# Altium PCB CM_PCB.PcbDoc (part 1 of 7)
Units mil, origin at the board's own origin, x right, y up, seen from the top; angles counter-clockwise.
Board outline 6478 x 5255 mil, 14 copper layers (Top Layer, GND1, HS1, GND2, DIFF_SE1, GND3, POWER1, POWER2, GND4, DIFF_SE2, GND5, HS2, GND6, Bottom Layer), stack 76.1 mil thick; 327 components, 386 nets, 2198 pads, 830 vias.
Unrouted connection lines stored in the file: 392.
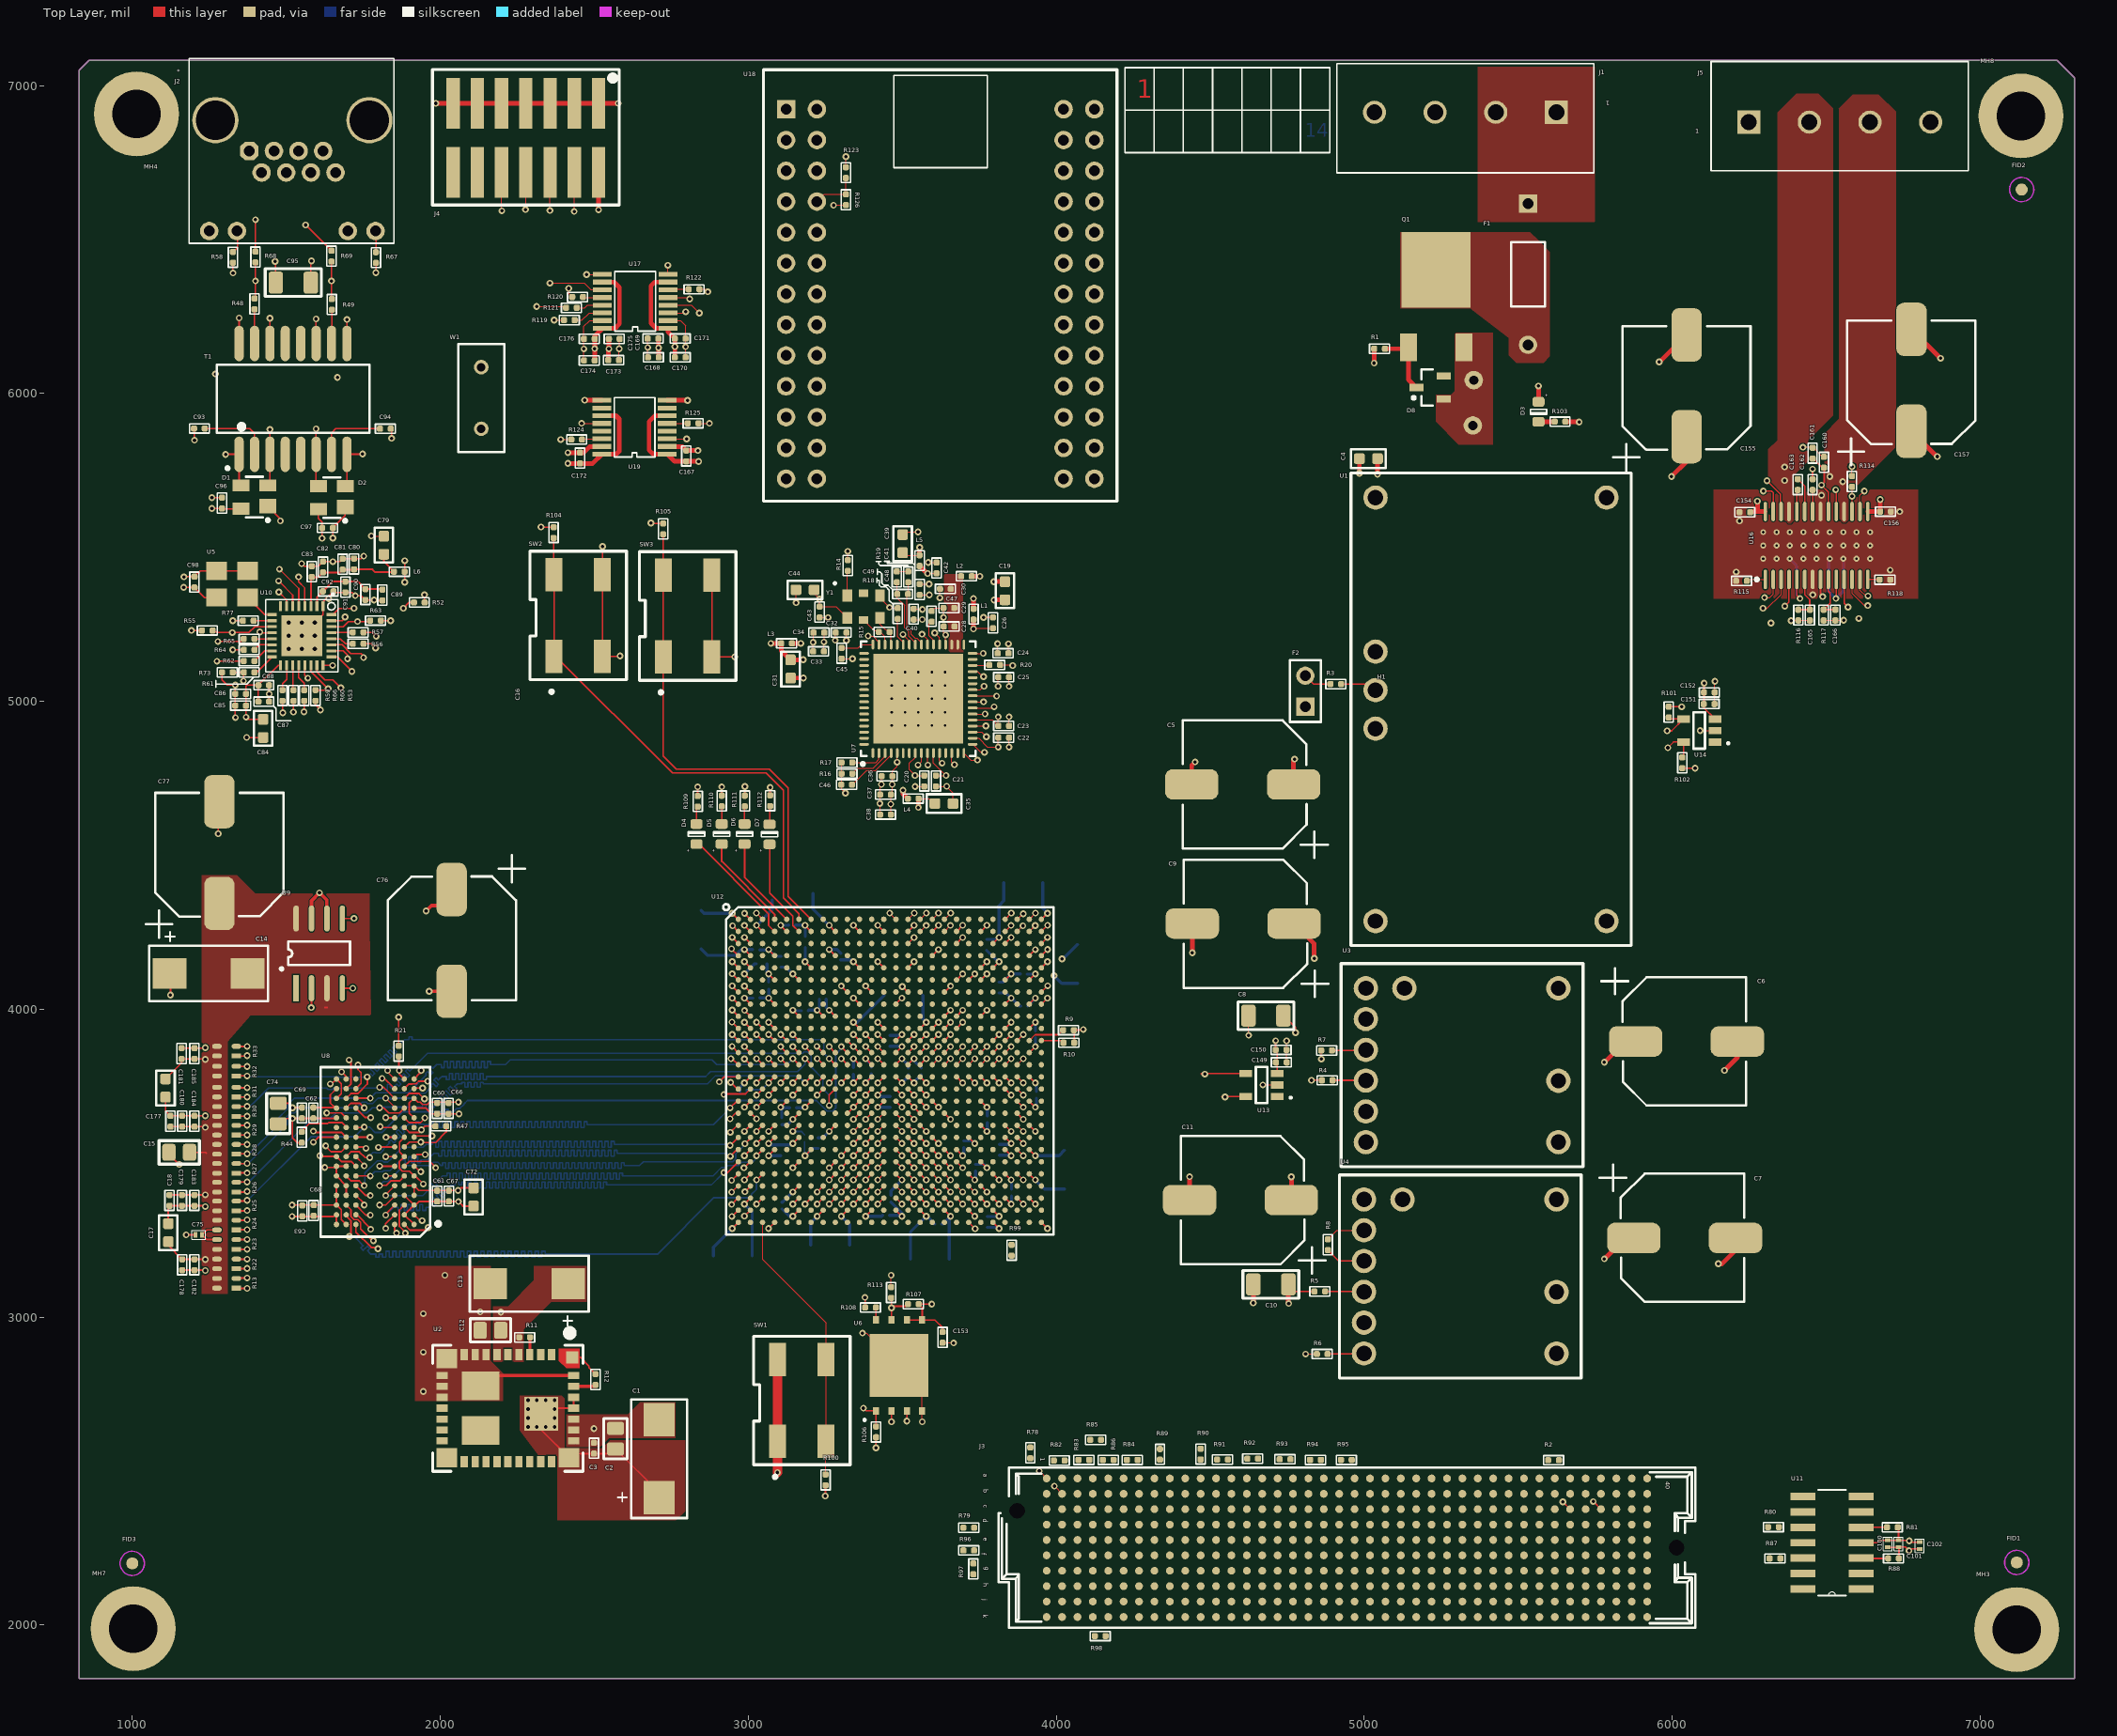
[diagram p0: Top Layer view]
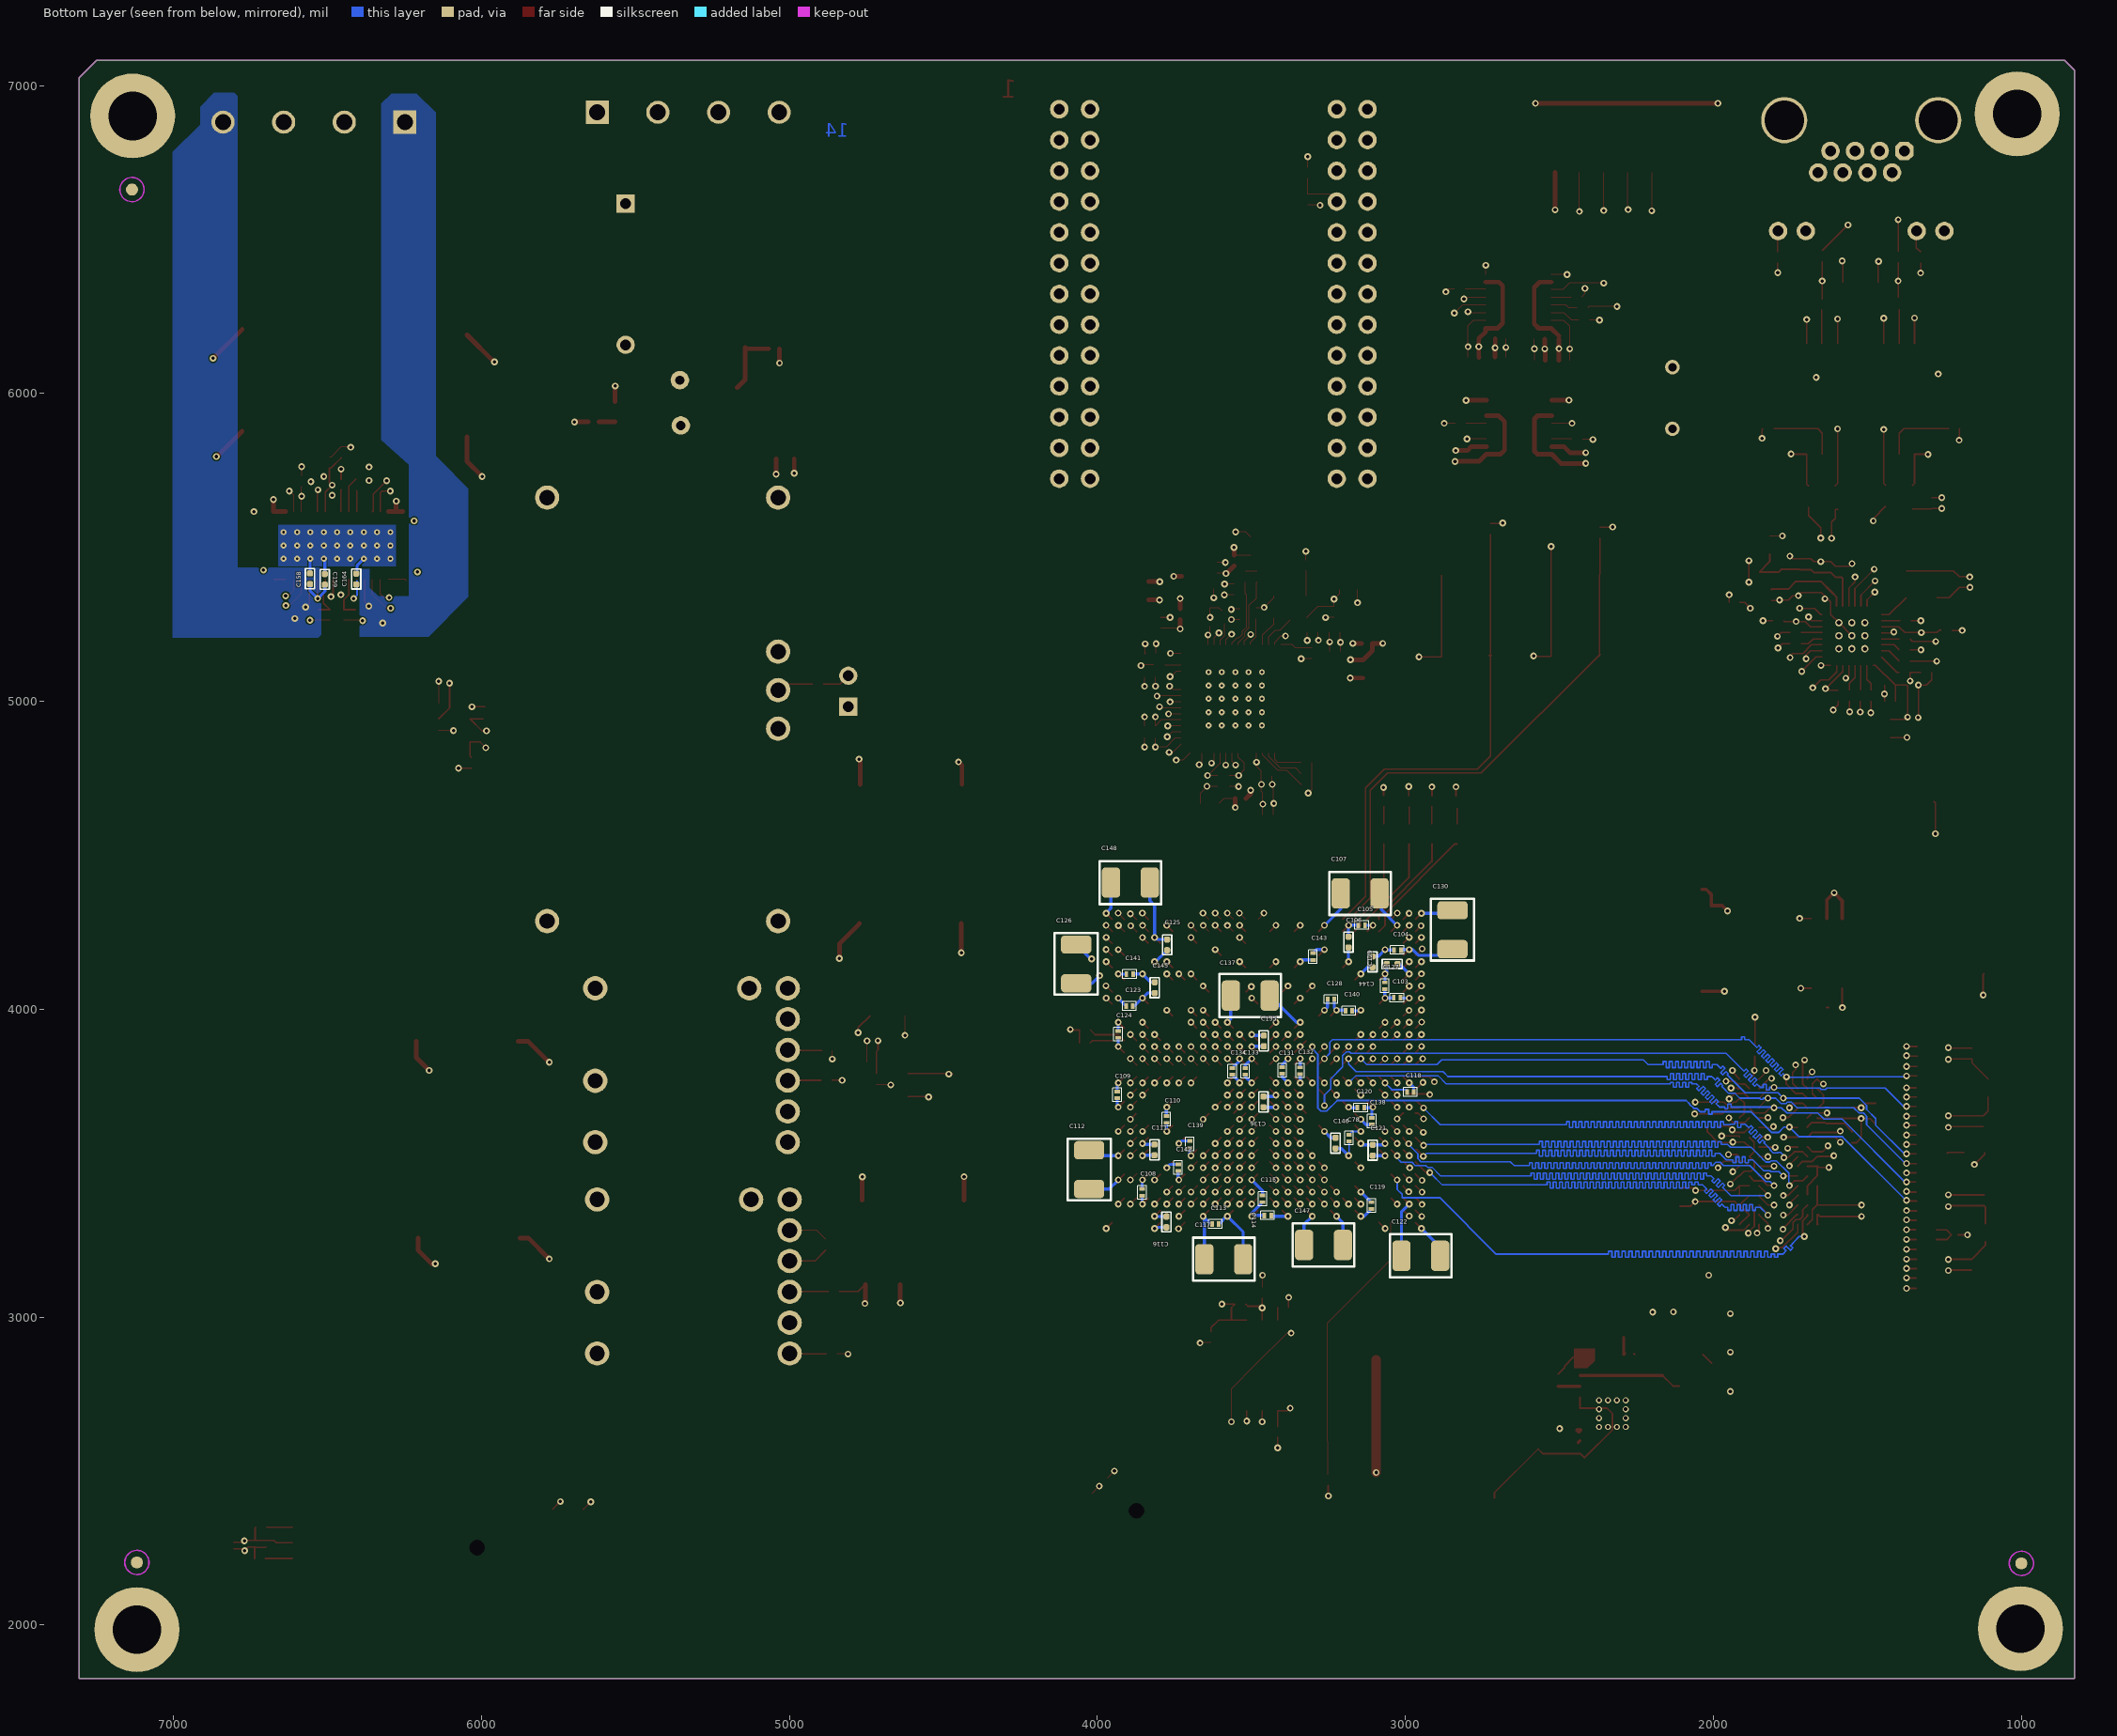
[diagram p1: Bottom Layer view, seen from below]
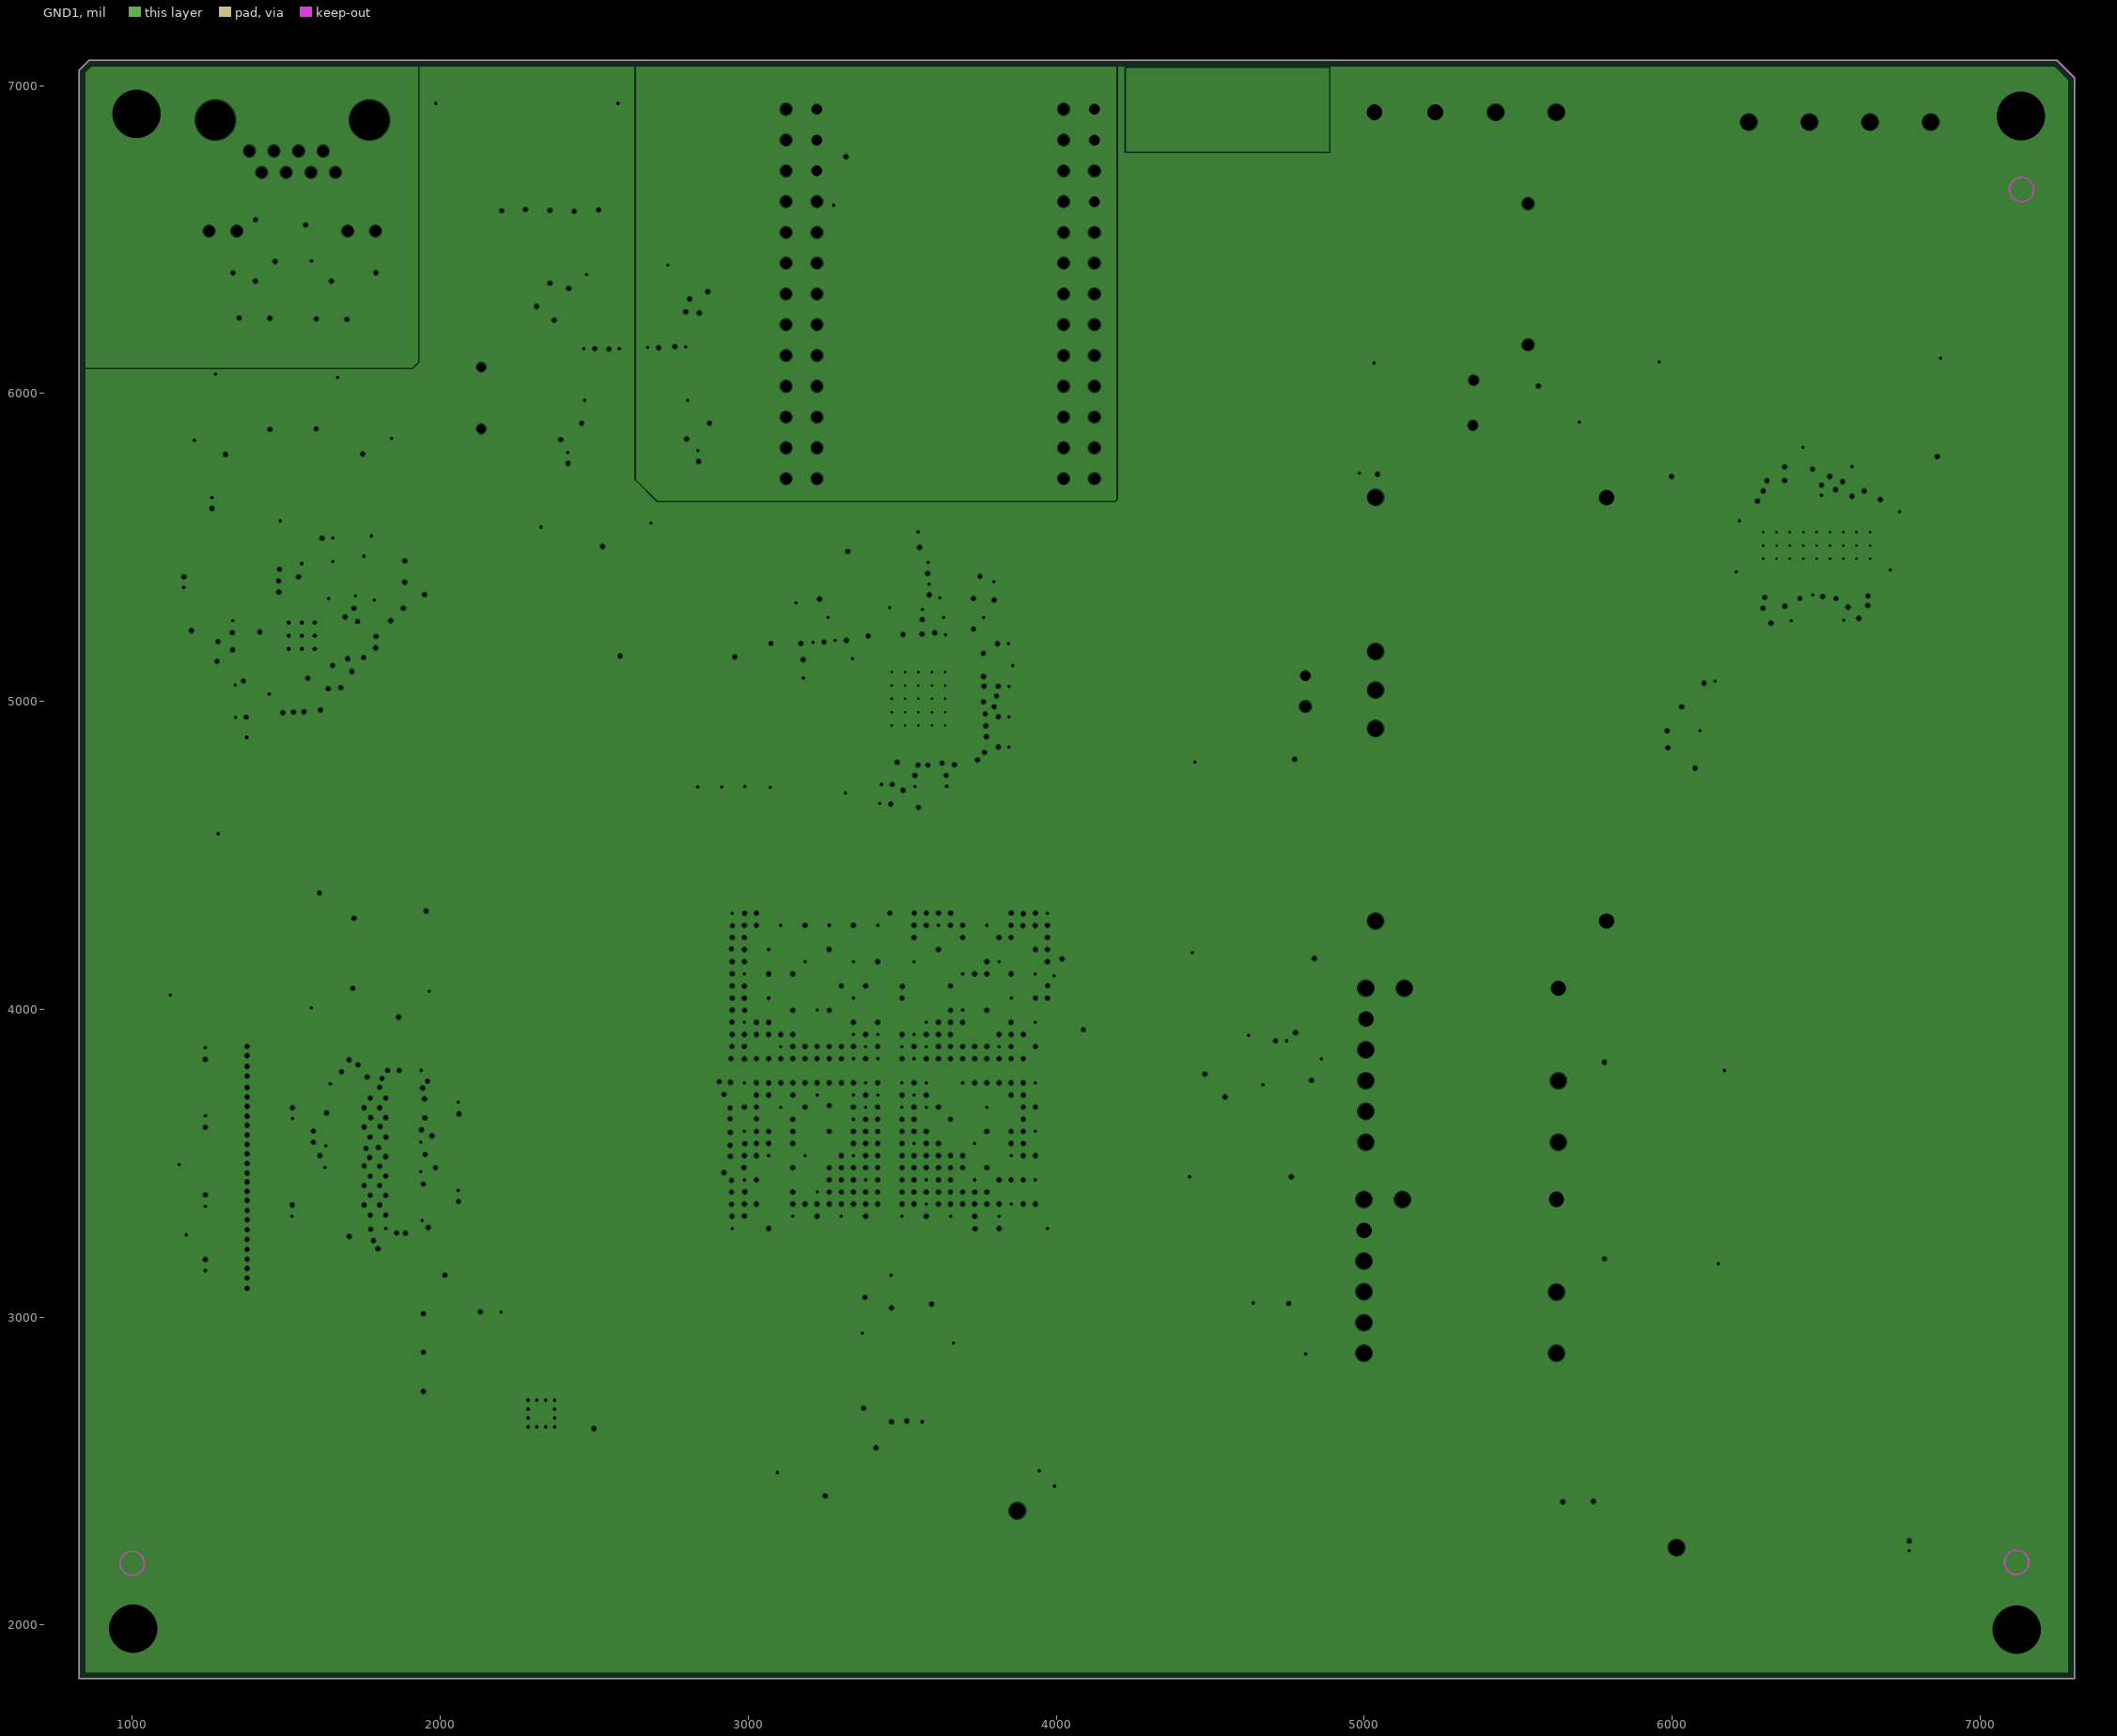
[diagram p2: GND1, clearances drawn from the general rule]
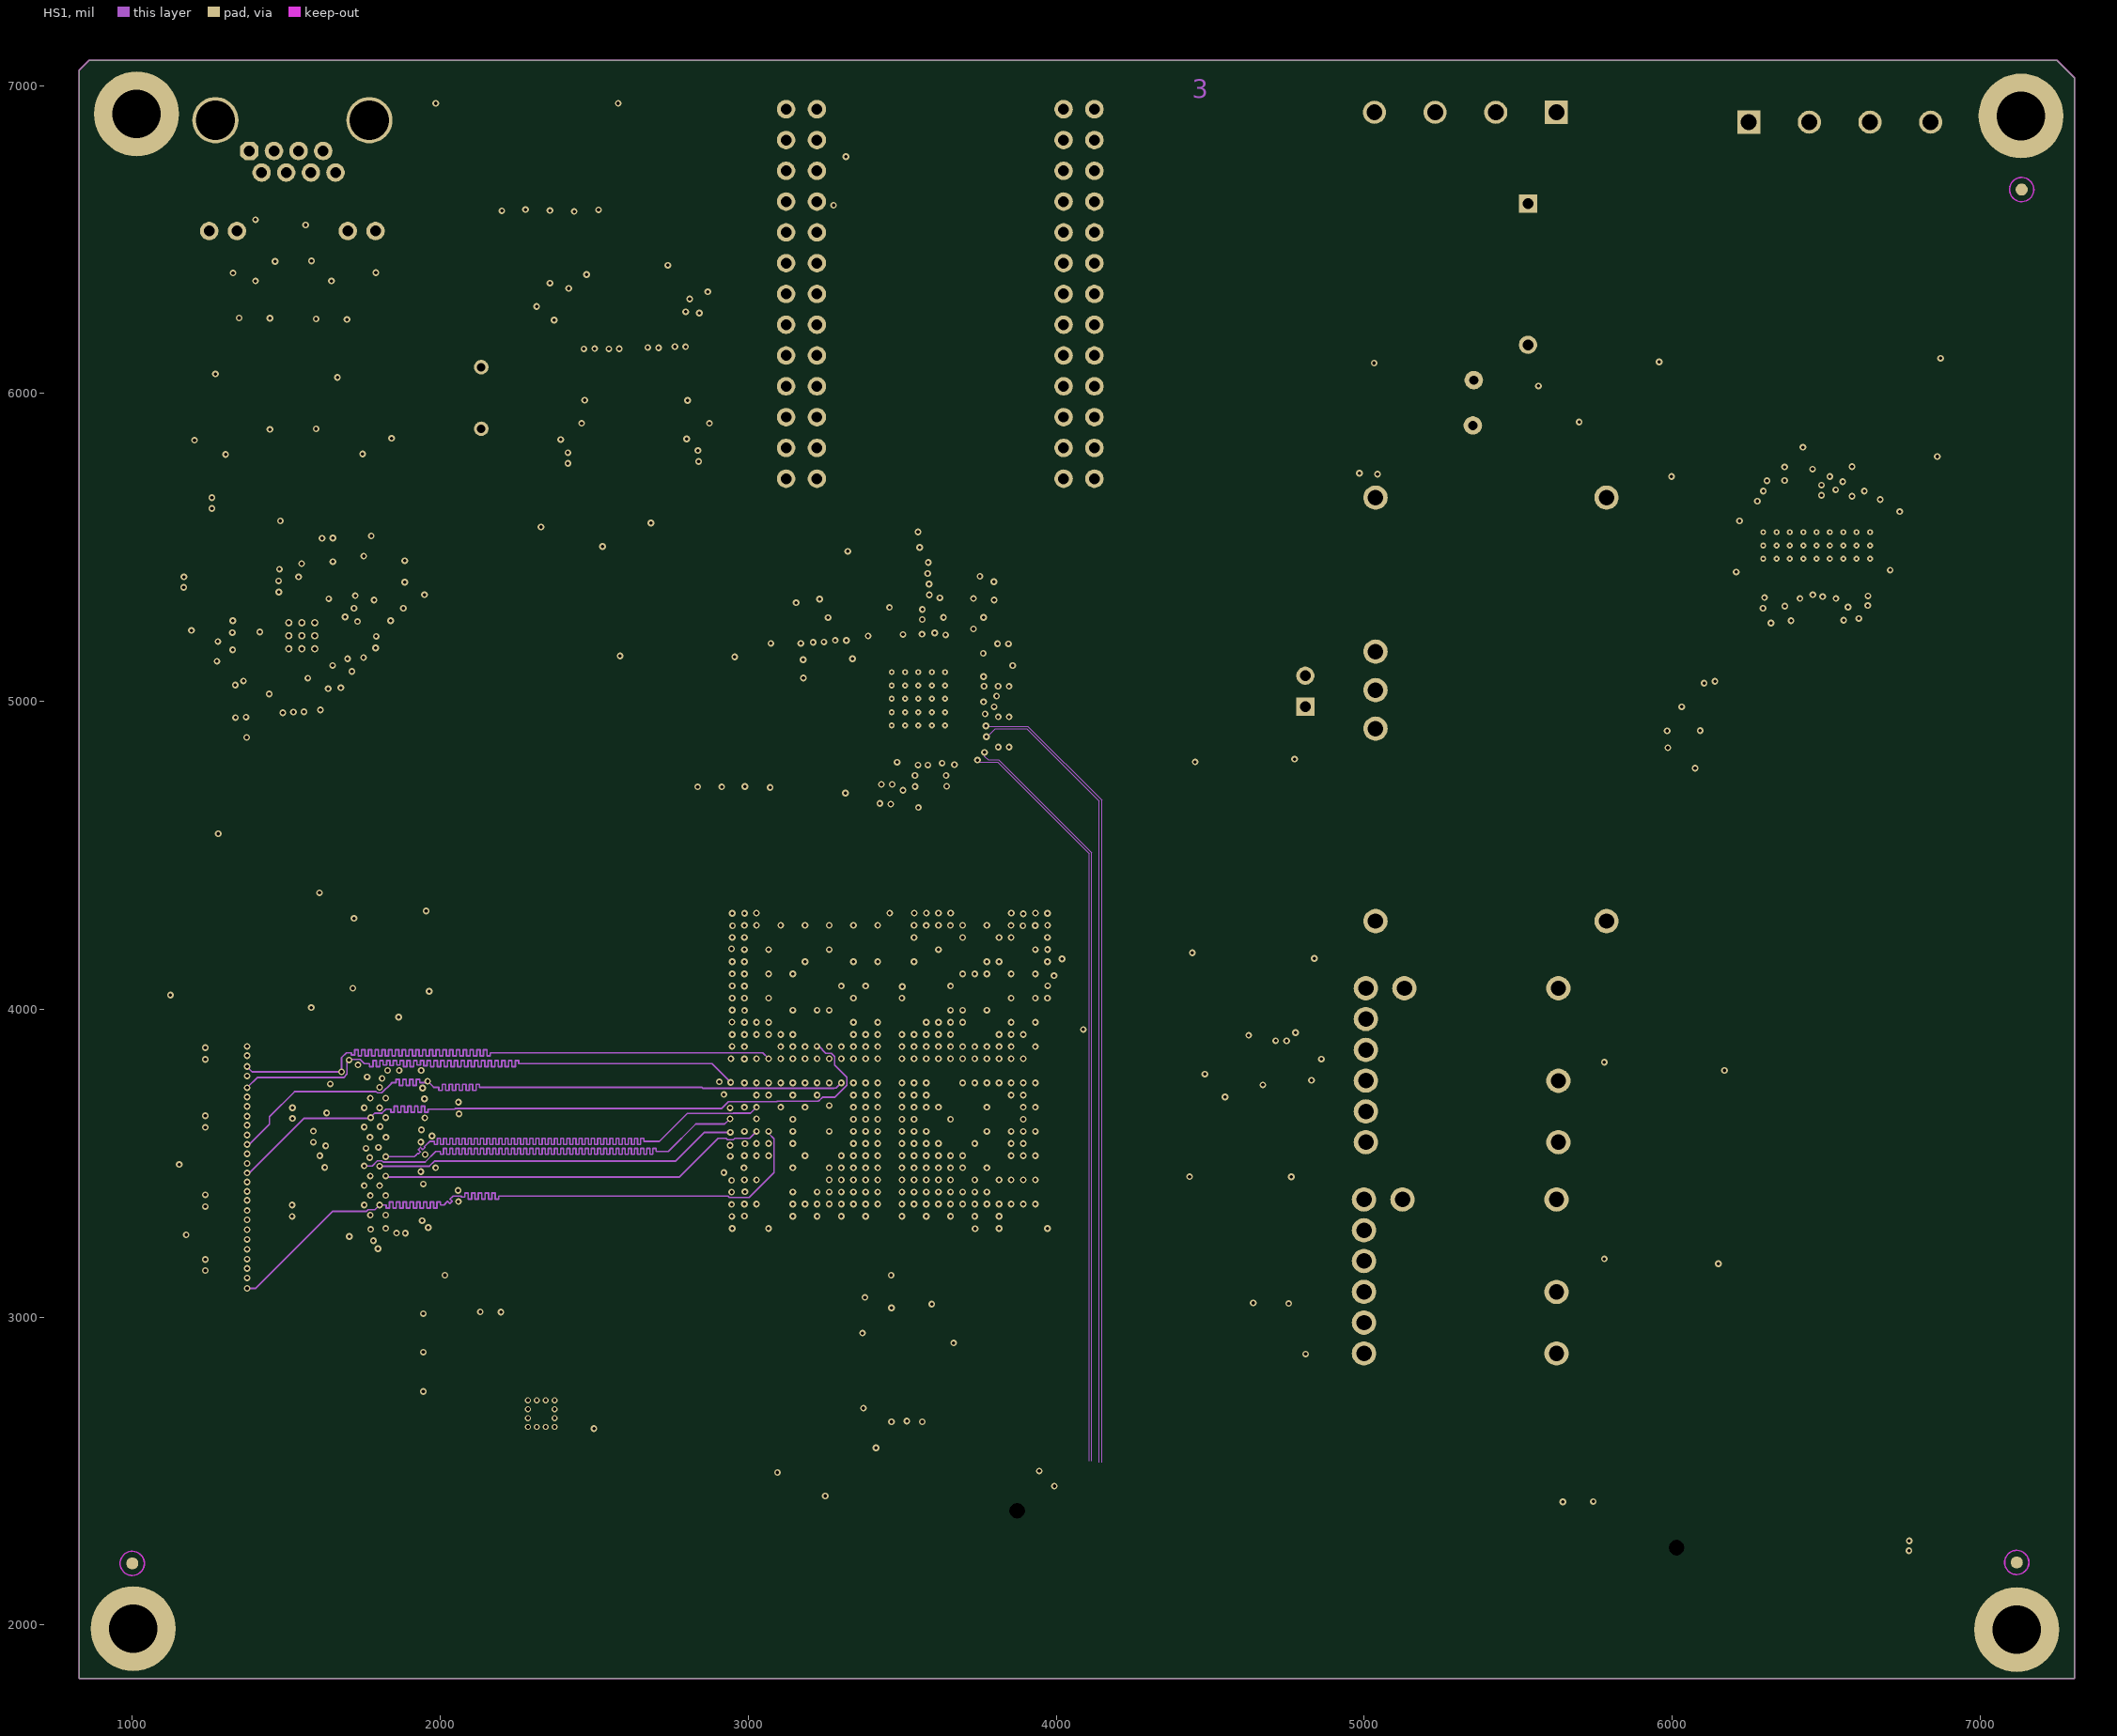
[diagram p3: HS1]